# KiCad board MRIRobot_PCB.kicad_pcb (continued)
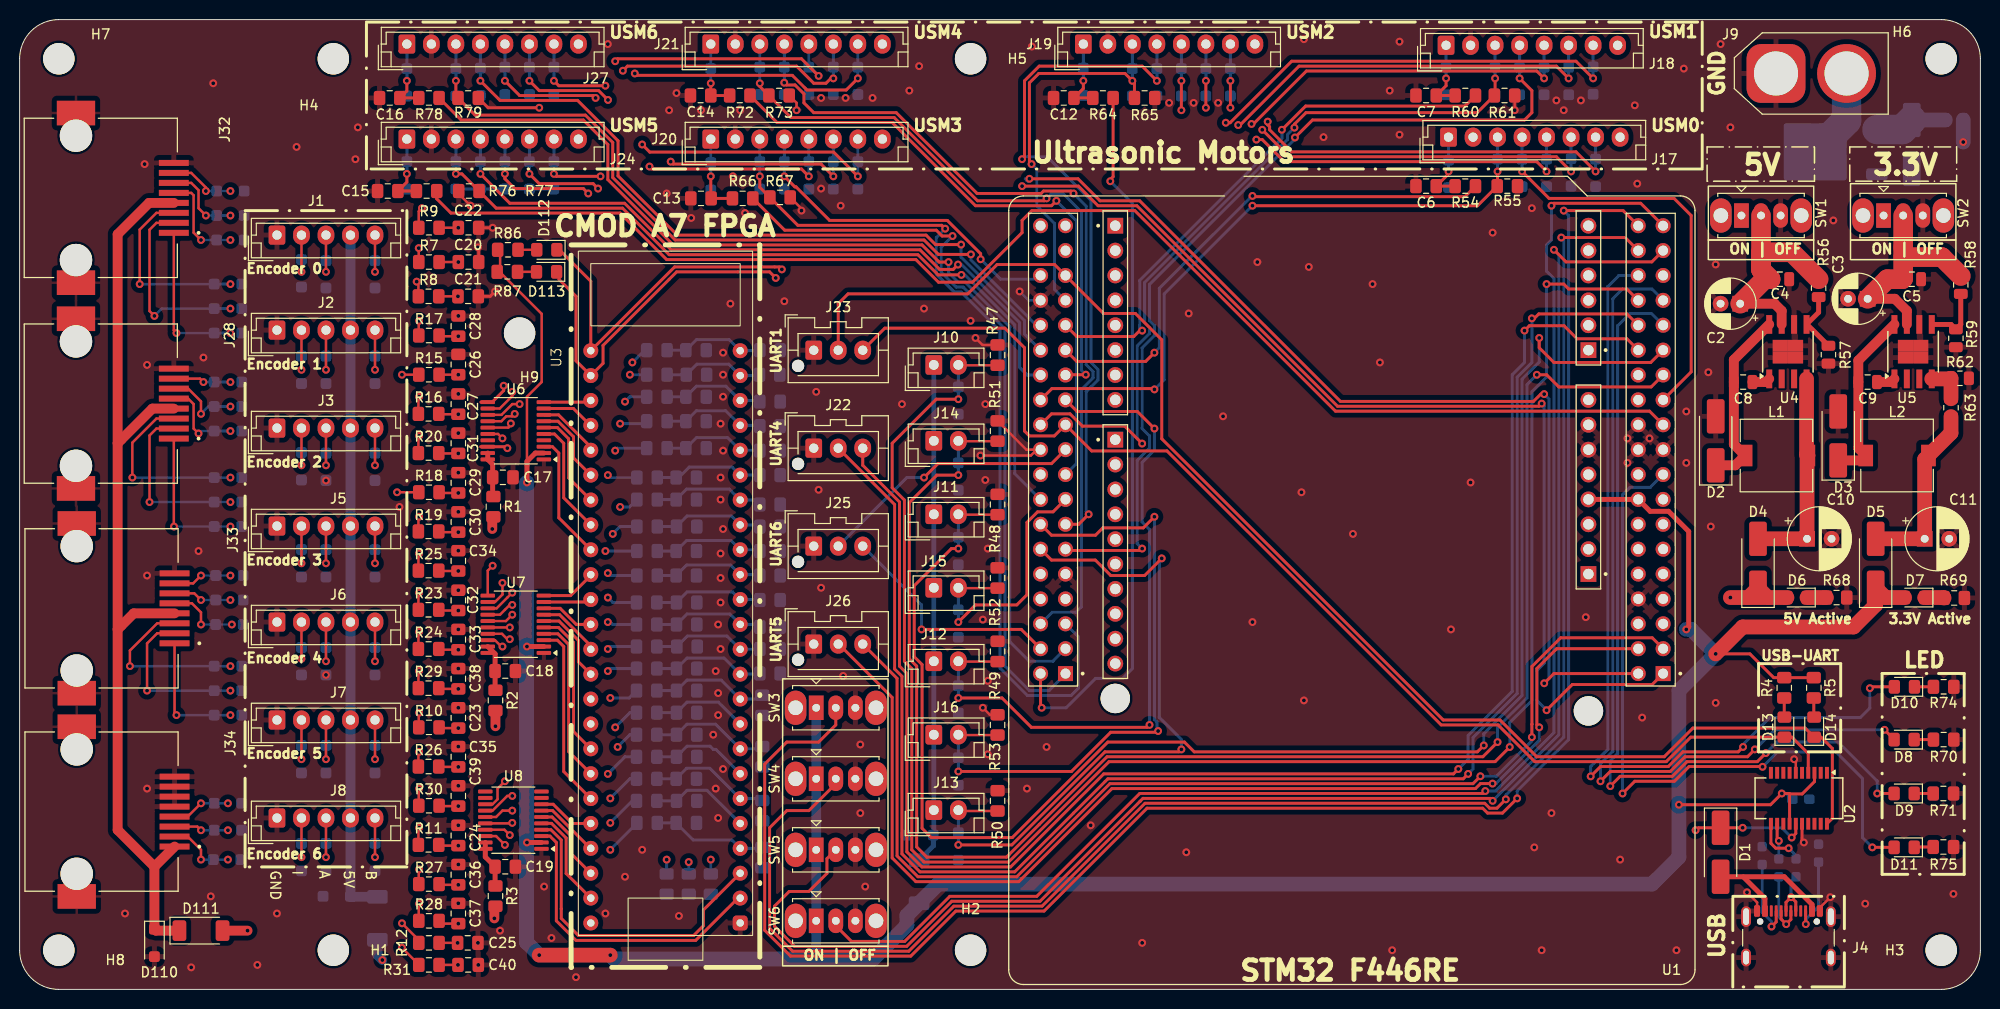
[diagram p0: board, top side]
## Placement (name value [footprint] x y rotation side) (continued)
R126  10k  [C_0805_2012Metric_Pad1.18x1.45mm_HandSolder]  76.54 55 0 bottom
R127  10k  [C_0805_2012Metric_Pad1.18x1.45mm_HandSolder]  76.54 52.5 0 bottom
R128  10k  [C_0805_2012Metric_Pad1.18x1.45mm_HandSolder]  76.54 65.25 0 bottom
R129  10k  [C_0805_2012Metric_Pad1.18x1.45mm_HandSolder]  76.5 62.75 0 bottom
R130  10k  [C_0805_2012Metric_Pad1.18x1.45mm_HandSolder]  76.54 60 0 bottom
SW1  5V Enable  [SW_Slide_SPDT_Straight_CK_OS102011MS2Q]  175.62 79 0 top
SW2  3.3V Enable  [SW_Slide_SPDT_Straight_CK_OS102011MS2Q]  190.12 79 0 top
SW3  Toggle_Switch0  [SW_Slide_SPDT_Straight_CK_OS102011MS2Q]  81.25 28.75 0 top
SW4  Toggle_Switch1  [SW_Slide_SPDT_Straight_CK_OS102011MS2Q]  81.25 21.5 0 top
SW5  Toggle_Switch2  [SW_Slide_SPDT_Straight_CK_OS102011MS2Q]  81.25 14.25 0 top
SW6  Toggle_Switch3  [SW_Slide_SPDT_Straight_CK_OS102011MS2Q]  81.25 7 0 top
U1  NUCLEO-F446RE  [MODULE_NUCLEO-F446RE]  135.89 41.75 180 top
U2  FT231XS  [SSOP-20_3.9x8.7mm_P0.635mm]  181.49 19.51 270 top
U3  CMOD_A7_FPGA  [CMODA7]  56.99 75.36 0 top
U4  LM22676MR-5  [TI_SO-PowerPAD-8]  180.37 65.1 90 top
U5  LM22676MR-ADJ  [TI_SO-PowerPAD-8]  193.13 65.1 90 top
U6  LSF0108  [TSSOP-20_4.4x6.5mm_P0.65mm]  50.61 57.03 180 top
U7  LSF0108  [TSSOP-20_4.4x6.5mm_P0.65mm]  50.61 37.28 180 top
U8  LSF0108  [TSSOP-20_4.4x6.5mm_P0.65mm]  50.36 17.28 180 top

## Library data of the parts
C1-C61 = -: Description: Unpolarized capacitor; ki_fp_filters: C_*
D1-D5 D12 D87 D111 = -: Description: Diode; Sim.Pins: 1=K 2=A; ki_fp_filters: TO-???* *_Diode_* *SingleDiode* D_*
D6-D11 D13 D14 D112 D113 = -: Description: Light emitting diode; ki_fp_filters: LED* LED_SMD:* LED_THT:*
D15-D86 D88-D108 D110 = -: Description: Bidirectional transient-voltage-suppression diode; ki_fp_filters: TO-???* *_Diode_* *SingleDiode* D_*
D109 = -: Description: Zener diode; ki_fp_filters: TO-???* *_Diode_* *SingleDiode* D_*
H1-H9 = -: Description: Mounting Hole without connection; ki_fp_filters: MountingHole*
J1-J3 J5-J8 = -: Description: Generic connector, single row, 01x05, script generated (kicad-library-utils/schlib/autogen/connector/); ki_fp_filters: Connector*:*_1x??_*
J4 = -: Datasheet: https://www.usb.org/sites/default/files/documents/usb_type-c.zip; Description: USB 2.0-only 16P Type-C Receptacle connector; ki_fp_filters: USB*C*Receptacle*
J9-J16 = -: Description: Generic connector, single row, 01x02, script generated (kicad-library-utils/schlib/autogen/connector/); ki_fp_filters: Connector*:*_1x??_*
J17-J21 J24 J27 = -: Description: Generic connector, single row, 01x08, script generated (kicad-library-utils/schlib/autogen/connector/); ki_fp_filters: Connector*:*_1x??_*
J22 J23 J25 J26 = -: Description: Generic connector, single row, 01x03, script generated (kicad-library-utils/schlib/autogen/connector/); ki_fp_filters: Connector*:*_1x??_*
J28 J32-J34 = -: PARTREV: A; STANDARD: Manufacturer Recommendations; MAXIMUM_PACKAGE_HEIGHT: 13.38mm; MANUFACTURER: Amphenol
L1 L2 = -: Description: Inductor; ki_fp_filters: Choke_* *Coil* Inductor_* L_*
Q1 = -: Datasheet: https://www.vishay.com/docs/62843/sud08p06-155l-ge3.pdf; Description: -8.4A Id, -60V Vds, TrenchFET P-Channel Power MOSFET, 155mOhm Ron, 19nC Qg, -55 to 150 °C, TO-252-2; ki_fp_filters: TO?252*
R1-R87 R110-R130 = -: Description: Resistor; ki_fp_filters: R_*
SW1-SW6 = -: Description: Switch, single pole double throw
U1 = -: Description: STM32F446RE, mbed-Enabled Development Nucleo-64 STM32F4 ARM® Cortex®-M4 MCU 32-Bit Embedded Evaluation Board; MF: STMicroelectronics; Package: None; Price: None; Check_prices: https://www.snapeda.com/parts/NUCLEO-F446RE/STMicroelectronics/view-part/?ref=eda; STANDARD: Manufacturer Recommendations; PARTREV: 13; SnapEDA_Link: https://www.snapeda.com/parts/NUCLEO-F446RE/STMicroelectronics/view-part/?ref=snap; Purchase-URL: https://www.snapeda.com/api/url_track_click_mouser/?unipart_id=284290&manufacturer=STMicroelectronics&part_name=NUCLEO-F446RE&search_term=None; Availability: In Stock; MANUFACTURER: STMicroelectronics; Description_1: STM32F446RE, mbed-Enabled Development Nucleo-64 STM32F4 ARM® Cortex®-M4 MCU 32-Bit Embedded Evaluation Board
U2 = -: Datasheet: https://www.ftdichip.com/Support/Documents/DataSheets/ICs/DS_FT231X.pdf; Description: Full Speed USB to Full Handshake UART, SSOP-20; ki_fp_filters: *SSOP*3.9x8.7mm*P0.635mm*
U4 = -: Datasheet: http://www.ti.com/lit/ds/symlink/lm22676.pdf; Description: 3A Step-Down Switching Voltage Regulater, 4.5-42V Input, 5V Output, 500kHz Switching Frequency, SOIC-8; ki_fp_filters: TI*SO*PowerPAD*
U5 = -: Datasheet: http://www.ti.com/lit/ds/symlink/lm22676.pdf; Description: 3A Step-Down Switching Voltage Regulater, 4.5-42V Input, Adjustable Output, 500kHz Switching Frequency, SOIC-8; ki_fp_filters: TI*SO*PowerPAD*

## Footprints (pads in the part's own frame, mm; a bottom-side part is the same pattern mirrored in y, then rotated)
AMASS_XT60-M_1x02_P7.20mm_Vertical
  rrect 6x6 hole 4.5: 1(0,0)
  round 6 hole 4.5: 2(7.2,0)
AMPHENOL_RJCSE538001
  round 3.3 hole 3.3 unplated: (-6.35,0) (6.35,0)
  rect 0.61x3.05 smd: 1(3.57,9.98) 2(2.55,9.98) 3(1.53,9.98) 4(0.51,9.98) 5(-0.51,9.98) 6(-1.53,9.98) 7(-2.55,9.98) 8(-3.57,9.98)
  custom 2.51x3.91 smd: SH1(8.66,0) SH2(-8.66,0)
C_0603_1608Metric_Pad1.08x0.95mm_HandSolder
  rrect 1.075x0.95 smd: 1(-0.863,0) 2(0.863,0)
C_0805_2012Metric
  rrect 1x1.45 smd: 1(-0.95,0) 2(0.95,0)
C_0805_2012Metric_Pad1.18x1.45mm_HandSolder
  rrect 1.175x1.45 smd: 1(-1.038,0) 2(1.038,0)
CMODA7
  round 1.524 hole 0.762: 1(1.27,-10.16) 2(1.27,-12.7) 3(1.27,-15.24) 4(1.27,-17.78) 5(1.27,-20.32) 6(1.27,-22.86) 7(1.27,-25.4) 8(1.27,-27.94) 9(1.27,-30.48) 10(1.27,-33.02) 11(1.27,-35.56) 12(1.27,-38.1) 13(1.27,-40.64) 14(1.27,-43.18) 15(1.27,-45.72) 16(1.27,-48.26) 17(1.27,-50.8) 18(1.27,-53.34) 19(1.27,-55.88) 20(1.27,-58.42) 21(1.27,-60.96) 22(1.27,-63.5) 23(1.27,-66.04) 24(1.27,-68.58) 26(16.51,-66.04) 27(16.51,-63.5) 28(16.51,-60.96) 29(16.51,-58.42) 30(16.51,-55.88) 31(16.51,-53.34) 32(16.51,-50.8) 33(16.51,-48.26) 34(16.51,-45.72) 35(16.51,-43.18) 36(16.51,-40.64) 37(16.51,-38.1) 38(16.51,-35.56) 39(16.51,-33.02) 40(16.51,-30.48) 41(16.51,-27.94) 42(16.51,-25.4) 43(16.51,-22.86) 44(16.51,-20.32) 45(16.51,-17.78) 46(16.51,-15.24) 47(16.51,-12.7) 48(16.51,-10.16)
  rrect 1.524x1.524 hole 0.762: 25(16.51,-68.58)
CP_Radial_D5.0mm_P2.00mm
  rect 1.6x1.6 hole 0.8: 1(0,0)
  round 1.6 hole 0.8: 2(2,0)
CP_Radial_D6.3mm_P2.50mm
  rect 1.6x1.6 hole 0.8: 1(0,0)
  round 1.6 hole 0.8: 2(2.5,0)
D_SMA_Handsoldering
  rrect 3.5x1.8 smd: 1(-2.5,0) 2(2.5,0)
D_SOD-123F
  rrect 1.1x1.1 smd: 1(-1.4,0) 2(1.4,0)
D_SOD-128
  rrect 1.4x2.1 smd: 1(-2.2,0) 2(2.2,0)
JST_EH_B2B-EH-A_1x02_P2.50mm_Vertical
  rrect 1.7x2 hole 1: 1(0,0)
  oval 1.7x2 hole 1: 2(2.5,0)
JST_EH_B5B-EH-A_1x05_P2.50mm_Vertical
  rrect 1.7x1.95 hole 0.95: 1(0,0)
  oval 1.7x1.95 hole 0.95: 2(2.5,0) 3(5,0) 4(7.5,0) 5(10,0)
JST_EH_B8B-EH-A_1x08_P2.50mm_Vertical
  rrect 1.7x1.95 hole 0.95: 1(0,0)
  oval 1.7x1.95 hole 0.95: 2(2.5,0) 3(5,0) 4(7.5,0) 5(10,0) 6(12.5,0) 7(15,0) 8(17.5,0)
JST_XA_B03B-XASK-1-A_1x03_P2.50mm_Vertical
  round 1.25 hole 1.25 unplated: (-1.6,-1.6)
  rrect 1.7x1.95 hole 0.95: 1(0,0)
  oval 1.7x1.95 hole 0.95: 2(2.5,0) 3(5,0)
L_7.3x7.3_H3.5
  rect 1.5x2.2 smd: 1(-3.2,0) 2(3.2,0)
LED_0805_2012Metric_Pad1.15x1.40mm_HandSolder
  rrect 1.15x1.4 smd: 1(-1.025,0) 2(1.025,0)
MODULE_NUCLEO-F446RE
  round 3 hole 3 unplated: (-24.13,13.32) (24.13,12.05)
  rect 1.605x1.605 hole 1.07: CN5_1(24.13,-14.37) CN6_1(-24.13,-0.65) CN8_1(-24.13,-23.51) CN9_1(24.13,-36.21)
  round 1.605 hole 1.07: CN5_2(24.13,-11.83) CN5_3(24.13,-9.29) CN5_4(24.13,-6.75) CN5_5(24.13,-4.21) CN5_6(24.13,-1.67) CN5_7(24.13,0.87) CN5_8(24.13,3.41) CN5_9(24.13,5.95) CN5_10(24.13,8.49) CN6_2(-24.13,-3.19) CN6_3(-24.13,-5.73) CN6_4(-24.13,-8.27) CN6_5(-24.13,-10.81) CN6_6(-24.13,-13.35) CN6_7(-24.13,-15.89) CN6_8(-24.13,-18.43) CN8_2(-24.13,-26.05) CN8_3(-24.13,-28.59) CN8_4(-24.13,-31.13) CN8_5(-24.13,-33.67) CN8_6(-24.13,-36.21) CN9_2(24.13,-33.67) CN9_3(24.13,-31.13) CN9_4(24.13,-28.59) CN9_5(24.13,-26.05) CN9_6(24.13,-23.51) CN9_7(24.13,-20.97) CN9_8(24.13,-18.43)
  rect 1.53x1.53 hole 1.02: CN7_1(-31.75,9.51) CN10_1(29.21,9.51)
  round 1.53 hole 1.02: CN7_2(-29.21,9.51) CN7_3(-31.75,6.97) CN7_4(-29.21,6.97) CN7_5(-31.75,4.43) CN7_6(-29.21,4.43) CN7_7(-31.75,1.89) CN7_8(-29.21,1.89) CN7_9(-31.75,-0.65) CN7_10(-29.21,-0.65) CN7_11(-31.75,-3.19) CN7_12(-29.21,-3.19) CN7_13(-31.75,-5.73) CN7_14(-29.21,-5.73) CN7_15(-31.75,-8.27) CN7_16(-29.21,-8.27) CN7_17(-31.75,-10.81) CN7_18(-29.21,-10.81) CN7_19(-31.75,-13.35) CN7_20(-29.21,-13.35) CN7_21(-31.75,-15.89) CN7_22(-29.21,-15.89) CN7_23(-31.75,-18.43) CN7_24(-29.21,-18.43) CN7_25(-31.75,-20.97) CN7_26(-29.21,-20.97) CN7_27(-31.75,-23.51) CN7_28(-29.21,-23.51) CN7_29(-31.75,-26.05) CN7_30(-29.21,-26.05) CN7_31(-31.75,-28.59) CN7_32(-29.21,-28.59) CN7_33(-31.75,-31.13) CN7_34(-29.21,-31.13) CN7_35(-31.75,-33.67) CN7_36(-29.21,-33.67) CN7_37(-31.75,-36.21) CN7_38(-29.21,-36.21) CN10_2(31.75,9.51) CN10_3(29.21,6.97) CN10_4(31.75,6.97) CN10_5(29.21,4.43) CN10_6(31.75,4.43) CN10_7(29.21,1.89) CN10_8(31.75,1.89) CN10_9(29.21,-0.65) CN10_10(31.75,-0.65) CN10_11(29.21,-3.19) CN10_12(31.75,-3.19) CN10_13(29.21,-5.73) CN10_14(31.75,-5.73) CN10_15(29.21,-8.27) CN10_16(31.75,-8.27) CN10_17(29.21,-10.81) CN10_18(31.75,-10.81) CN10_19(29.21,-13.35) CN10_20(31.75,-13.35) CN10_21(29.21,-15.89) CN10_22(31.75,-15.89) CN10_23(29.21,-18.43) CN10_24(31.75,-18.43) CN10_25(29.21,-20.97) CN10_26(31.75,-20.97) CN10_27(29.21,-23.51) CN10_28(31.75,-23.51) CN10_29(29.21,-26.05) CN10_30(31.75,-26.05) CN10_31(29.21,-28.59) CN10_32(31.75,-28.59) CN10_33(29.21,-31.13) CN10_34(31.75,-31.13) CN10_35(29.21,-33.67) CN10_36(31.75,-33.67) CN10_37(29.21,-36.21) CN10_38(31.75,-36.21)
MountingHole_3.2mm_M3
  round 3.2 hole 3.2 unplated: (0,0)
R_0603_1608Metric_Pad0.98x0.95mm_HandSolder
  rrect 0.975x0.95 smd: 1(-0.912,0) 2(0.912,0)
R_0805_2012Metric
  rrect 1.025x1.4 smd: 1(-0.912,0) 2(0.912,0)
SSOP-20_3.9x8.7mm_P0.635mm
  rect 1.2x0.4 smd: 1(-2.6,2.857) 2(-2.6,2.223) 3(-2.6,1.587) 4(-2.6,0.953) 5(-2.6,0.318) 6(-2.6,-0.318) 7(-2.6,-0.953) 8(-2.6,-1.587) 9(-2.6,-2.223) 10(-2.6,-2.857) 11(2.6,-2.857) 12(2.6,-2.223) 13(2.6,-1.587) 14(2.6,-0.953) 15(2.6,-0.318) 16(2.6,0.318) 17(2.6,0.953) 18(2.6,1.587) 19(2.6,2.223) 20(2.6,2.857)
SW_Slide_SPDT_Straight_CK_OS102011MS2Q
  oval 2.2x3.5 hole 1.5: (-2.1,0) (6.1,0)
  rect 1.5x2.5 hole 0.8: 1(0,0)
  oval 1.5x2.5 hole 0.8: 2(2,0) 3(4,0)
TI_SO-PowerPAD-8
  rect 1.91x0.61 smd: 1(-2.78,1.905) 2(-2.78,0.635) 3(-2.78,-0.635) 4(-2.78,-1.905) 5(2.78,-1.905) 6(2.78,-0.635) 7(2.78,0.635) 8(2.78,1.905)
  rect 1.205x1.55 smd: 9(-0.603,0.775) 9(-0.603,-0.775) 9(0.603,0.775) 9(0.603,-0.775)
TO-252-2
  rrect 2.2x1.2 smd: 1(-5.04,2.28) 3(-5.04,-2.28)
  rrect 3.05x2.75 smd: 2(-0.415,-1.525) 2(-0.415,1.525) 2(2.935,-1.525) 2(2.935,1.525)
  rrect 6.4x5.8 smd: 2(1.26,0)
TSSOP-20_4.4x6.5mm_P0.65mm
  rrect 1.475x0.4 smd: 1(-2.862,2.925) 2(-2.862,2.275) 3(-2.862,1.625) 4(-2.862,0.975) 5(-2.862,0.325) 6(-2.862,-0.325) 7(-2.862,-0.975) 8(-2.862,-1.625) 9(-2.862,-2.275) 10(-2.862,-2.925) 11(2.862,-2.925) 12(2.862,-2.275) 13(2.862,-1.625) 14(2.862,-0.975) 15(2.862,-0.325) 16(2.862,0.325) 17(2.862,0.975) 18(2.862,1.625) 19(2.862,2.275) 20(2.862,2.925)
USB_C_Receptacle_GCT_USB4105-xx-A_16P_TopMnt_Horizontal
  round 0.65 hole 0.65 unplated: (-2.89,2.605) (2.89,2.605)
  rrect 0.6x1.15 smd: A1(-3.2,3.68) A4(-2.4,3.68) A9(2.4,3.68) A12(3.2,3.68) B1(3.2,3.68) B4(2.4,3.68) B9(-2.4,3.68) B12(-3.2,3.68)
  rrect 0.3x1.15 smd: A5(-1.25,3.68) A6(-0.25,3.68) A7(0.25,3.68) A8(1.25,3.68) B5(1.75,3.68) B6(0.75,3.68) B7(-0.75,3.68) B8(-1.75,3.68)
  oval 1x2.1 hole 0.6x1.7: S1(-4.32,3.105) S1(4.32,3.105)
  oval 1x1.8 hole 0.6x1.4: S1(-4.32,-1.075) S1(4.32,-1.075)

## Nets
+3.3V: C1.1 D5.1 D7.2 D12.2 R4.1 R5.1 R86.1 R87.1 SW3.1 SW4.1 SW5.1 SW6.1 U1.CN6_4 U1.CN7_16 U2.3 U2.14 U6.2 U7.2 U8.2
+5V: D1.1 D4.1 D6.2 D87.2 D111.2 R1.1 R2.1 R3.1 U1.CN6_5 U1.CN7_18 U2.15 U3.24
+24V: D109.1 Q1.3 SW1.1 SW2.1
/3V3_home: D12.1 D84.1 J10.1 J11.1 J12.1 J13.1 J14.1 J15.1 J16.1
/5V_E: D86.1 D87.1 J1.4 J2.4 J3.4 J5.4 J6.4 J7.4 J8.4
/5V_E2: D110.1 D111.1 J28.4 J32.4 J33.4 J34.1
/24V_3.3V: C3.1 C5.1 R58.1 SW2.2 U5.7
/24V_5V: C2.1 C4.1 R56.1 SW1.2 U4.7
GND: C1.2 C2.2 C3.2 C4.2 C5.2 C6.2 C7.2 C10.2 C11.2 C12.2 C13.2 C14.2 C15.2 C16.2 C17.2 C18.2 C19.2 C20.2 C21.2 C22.2 C23.2 C24.2 C25.2 C26.2 C27.2 C28.2 C29.2 C30.2 C31.2 C32.2 C33.2 C34.2 C35.2 C36.2 C37.2 C38.2 C39.2 C40.2 C41.2 C42.2 C43.2 C44.2 C45.2 C46.2 C47.2 C48.2 C49.2 C50.2 C51.2 C52.2 C53.2 C54.2 C55.2 C56.2 C57.2 C58.2 C59.2 C60.2 C61.2 D2.2 D3.2 D15.2 D16.2 D17.2 D18.2 D19.2 D20.2 D21.2 D22.2 D23.2 D24.2 D25.2 D26.2 D27.2 D28.2 D29.2 D30.2 D31.2 D32.2 D33.2 D34.2 D35.2 D36.2 D37.2 D38.2 D39.2 D40.2 D41.2 D42.2 D43.2 D44.2 D45.2 D46.2 D47.2 D48.2 D49.2 D50.2 D51.2 D52.2 D53.2 D54.2 D55.2 D56.2 D57.2 D58.2 D59.2 D60.2 D61.2 D62.2 D63.2 D64.2 D65.2 D66.2 D67.2 D68.2 D69.2 D70.2 D71.2 D72.2 D73.2 D74.2 D75.2 D76.2 D77.2 D78.2 D79.2 D80.2 D81.2 D82.2 D83.2 D84.2 D85.2 D86.2 D88.2 D89.2 D90.2 D91.2 D92.2 D93.2 D94.2 D95.2 D96.2 D97.2 D98.2 D99.2 D100.2 D101.2 D102.2 D103.2 D104.2 D105.2 D106.2 D107.2 D108.2 D110.2 J1.1 J2.1 J3.1 J4.A1 J4.A12 J4.B1 J4.B12 J4.S1 J5.1 J6.1 J7.1 J8.1 J9.1 J17.2 J18.2 J19.2 J20.2 J21.2 J22.1 J23.1 J24.2 J25.1 J26.1 J27.2 J28.8 J28.SH1 J28.SH2 J32.8 J32.SH1 J32.SH2 J33.8 J33.SH1 J33.SH2 J34.5 J34.6 J34.7 J34.8 J34.SH1 J34.SH2 R6.2 R13.2 R14.2 R47.2 R48.2 R49.2 R50.2 R51.2 R52.2 R53.2 R55.2 R57.2 R59.2 R61.2 R62.2 R65.2 R67.2 R68.2 R69.2 R70.2 R71.2 R73.2 R74.2 R75.2 R77.2 R79.2 R110.2 R111.2 R112.2 R113.2 R114.2 R115.2 R116.2 R117.2 R118.2 R119.2 R120.2 R121.2 R122.2 R123.2 R124.2 R125.2 R126.2 R127.2 R128.2 R129.2 R130.2 SW1.3 SW2.3 SW3.3 SW4.3 SW5.3 SW6.3 U1.CN6_6 U1.CN6_7 U1.CN7_8 U1.CN7_19 U1.CN7_20 U1.CN7_22 U1.CN10_9 U1.CN10_20 U1.CN10_32 U2.6 U2.16 U3.25 U4.6 U4.9 U5.6 U5.9 U6.1 U7.1 U8.1
/A0: D23.1 D90.1 J1.3 J32.7 R8.1
/A0_LP: C21.1 R8.2 U6.13
/A0_shift: U3.5 U6.8
/A1: D26.1 D91.1 J2.3 J32.2 R16.1
/A1_LP: C27.1 R16.2 U6.16
/A1_shift: U3.8 U6.5
/A2: D29.1 D96.1 J3.3 J28.7 R19.1
/A2_LP: C30.1 R19.2 U7.12
/A2_shift: U3.11 U7.9
/A3: D20.1 D97.1 J5.3 J28.2 R24.1
/A3_LP: C33.1 R24.2 U7.15
/A3_shift: U3.14 U7.6
/A4: D32.1 D102.1 J6.3 J33.7 R26.1
/A4_LP: C35.1 R26.2 U7.18
/A4_shift: U3.19 U7.3
/A5: D35.1 D103.1 J7.3 J33.2 R27.1
/A5_LP: C36.1 R27.2 U8.15
/A5_shift: U3.22 U8.6
/A6: D37.1 D107.1 J8.3 J34.3 R28.1
/A6_LP: C37.1 R28.2 U8.17
/A6_shift: U3.27 U8.4
/B0: D17.1 D88.1 J1.5 J32.6 R7.1
/B0_LP: C20.1 R7.2 U6.12
/B0_shift: U3.4 U6.9
/B1: D25.1 D89.1 J2.5 J32.1 R15.1
/B1_LP: C26.1 R15.2 U6.15
/B1_shift: U3.7 U6.6
/B2: D28.1 D94.1 J3.5 J28.6 R18.1
/B2_LP: C29.1 R18.2 U7.11
/B2_shift: U3.10 U7.10
/B3: D19.1 D95.1 J5.5 J28.1 R23.1
/B3_LP: C32.1 R23.2 U7.14
/B3_shift: U3.13 U7.7
/B4: D31.1 D100.1 J6.5 J33.6 R10.1
/B4_LP: C23.1 R10.2 U7.17
/B4_shift: U3.18 U7.4
/B5: D34.1 D101.1 J7.5 J33.1 R11.1
/B5_LP: C24.1 R11.2 U8.14
/B5_shift: U3.21 U8.7
/B6: D22.1 D106.1 J8.5 J34.4 R12.1
/B6_LP: C25.1 R12.2 U8.18
/B6_shift: U3.26 U8.3
/Home0: D78.1 J10.2 R47.1 U1.CN7_32
/Home1: D80.1 J14.2 R51.1 U1.CN7_25
/Home2: D82.1 J11.2 R48.1 U1.CN7_27
/Home3: D79.1 J15.2 R52.1 U1.CN10_15
/Home4: D81.1 J12.2 R49.1 U1.CN10_23
/Home5: D83.1 J16.2 R53.1 U1.CN10_14
/Home6: D85.1 J13.2 R50.1 U1.CN10_12
/I0: D24.1 D92.1 J1.2 J32.5 R9.1
/I0_LP: C22.1 R9.2 U6.11
/I0_shift: U3.3 U6.10
/I1: D27.1 D93.1 J2.2 J32.3 R17.1
/I1_LP: C28.1 R17.2 U6.14
/I1_shift: U3.6 U6.7
/I2: D30.1 D98.1 J3.2 J28.5 R20.1
/I2_LP: C31.1 R20.2 U6.18
/I2_shift: U3.9 U6.3
/I3: D21.1 D99.1 J5.2 J28.3 R25.1
/I3_LP: C34.1 R25.2 U7.13
/I3_shift: U3.12 U7.8
/I4: D33.1 D104.1 J6.2 J33.5 R29.1
/I4_LP: C38.1 R29.2 U7.16
/I4_shift: U3.17 U7.5
/I5: D36.1 D105.1 J7.2 J33.3 R30.1
/I5_LP: C39.1 R30.2 U8.13
/I5_shift: U3.20 U8.8
/I6: D38.1 D108.1 J8.2 J34.2 R31.1
/I6_LP: C40.1 R31.2 U8.16
/I6_shift: U3.23 U8.5
/LED0: D8.2 U1.CN7_31
/LED1: D9.2 U1.CN7_29
/LED2: D10.2 U1.CN7_34
/LED3: D11.2 U1.CN7_17
/SW0: SW3.2 U1.CN7_38
/SW1: SW4.2 U1.CN7_36
/SW2: SW5.2 U1.CN7_35
/SW3: SW6.2 U1.CN7_37
/U_Ana0: C6.1 D15.1 J17.1 R54.2
/U_Ana1: C7.1 D42.1 J18.1 R60.2
/U_Ana2: C12.1 D48.1 J19.1 R64.2
/U_Ana3: C13.1 D54.1 J20.1 R66.2
/U_Ana4: C14.1 D60.1 J21.1 R72.2
/U_Ana5: C15.1 D66.1 J24.1 R76.2
/U_Ana6: C16.1 D72.1 J27.1 R78.2
/U_Dir0: D18.1 J17.4 U1.CN7_23
/U_Dir1: D46.1 J18.4 U1.CN10_11
/U_Dir2: D52.1 J19.4 U1.CN10_13
/U_Dir3: D58.1 J20.4 U1.CN10_34
/U_Dir4: D64.1 J21.4 U1.CN10_6
/U_Dir5: D70.1 J24.4 U1.CN10_26
/U_Dir6: D76.1 J27.4 U1.CN10_28
/U_En0: D16.1 J17.3 R55.1 U1.CN10_24
/U_En1: D44.1 J18.3 R61.1 U1.CN10_22
/U_En2: D50.1 J19.3 R65.1 U1.CN10_31
/U_En3: D56.1 J20.3 R67.1 U1.CN10_5
/U_En4: D62.1 J21.3 R73.1 U1.CN10_25
/U_En5: D68.1 J24.3 R77.1 U1.CN10_16
/U_En6: D74.1 J27.3 R79.1 U1.CN10_30
/U_EncA0: D39.1 J17.5 R33.1
/U_EncA0_LP: C42.1 R33.2 R112.1 U3.30
/U_EncA1: D43.1 J18.5 R36.1
/U_EncA1_LP: C45.1 R36.2 R115.1 U3.33
/U_EncA2: D49.1 J19.5 R39.1
/U_EncA2_LP: C48.1 R39.2 R118.1 U3.36
/U_EncA3: D55.1 J20.5 R42.1
/U_EncA3_LP: C51.1 R42.2 R121.1 U3.38
/U_EncA4: D61.1 J21.5 R45.1
/U_EncA4_LP: C54.1 R45.2 R124.1 U3.40
/U_EncA5: D67.1 J24.5 R81.1
/U_EncA5_LP: C57.1 R81.2 R127.1 U3.43
/U_EncA6: D73.1 J27.5 R84.1
/U_EncA6_LP: C60.1 R84.2 R130.1 U3.46
/U_EncB0: D40.1 J17.6 R32.1
/U_EncB0_LP: C41.1 R32.2 R111.1 U3.29
/U_EncB1: D45.1 J18.6 R35.1
/U_EncB1_LP: C44.1 R35.2 R114.1 U3.32
/U_EncB2: D51.1 J19.6 R38.1
/U_EncB2_LP: C47.1 R38.2 R117.1 U3.35
/U_EncB3: D57.1 J20.6 R41.1
/U_EncB3_LP: C50.1 R41.2 R120.1 U3.37
/U_EncB4: D63.1 J21.6 R44.1
/U_EncB4_LP: C53.1 R44.2 R123.1 U3.41
/U_EncB5: D69.1 J24.6 R80.1
/U_EncB5_LP: C56.1 R80.2 R126.1 U3.44
/U_EncB6: D75.1 J27.6 R83.1
/U_EncB6_LP: C59.1 R83.2 R129.1 U3.47
/U_EncI0: D41.1 J17.7 R34.1
/U_EncI0_LP: C43.1 R34.2 R110.1 U3.28
/U_EncI1: D47.1 J18.7 R37.1
/U_EncI1_LP: C46.1 R37.2 R113.1 U3.31
/U_EncI2: D53.1 J19.7 R40.1
/U_EncI2_LP: C49.1 R40.2 R116.1 U3.34
/U_EncI3: D59.1 J20.7 R43.1
/U_EncI3_LP: C52.1 R43.2 R119.1 U3.39
/U_EncI4: D65.1 J21.7 R46.1
/U_EncI4_LP: C55.1 R46.2 R122.1 U3.42
/U_EncI5: D71.1 J24.7 R82.1
/U_EncI5_LP: C58.1 R82.2 R125.1 U3.45
/U_EncI6: D77.1 J27.7 R85.1
/U_EncI6_LP: C61.1 R85.2 R128.1 U3.48
/U_PWM0: R54.1 U1.CN10_27
/U_PWM1: R60.1 U1.CN10_29
/U_PWM2: R64.1 U1.CN10_2
/U_PWM3: R66.1 U1.CN10_1
/U_PWM4: R72.1 U1.CN10_17
/U_PWM5: R76.1 U1.CN7_21
/U_PWM6: R78.1 U1.CN10_3
/UART1RX: D14.1 J23.2 U1.CN10_33 U2.20
/UART1TX: D13.1 J23.3 U1.CN10_21 U2.4
/UART3RX: D112.1 U1.CN7_2 U3.1
/UART3TX: D113.1 U1.CN7_1 U3.2
/UART4RX: J22.2 U1.CN7_30
/UART4TX: J22.3 U1.CN7_28
/UART5RX: J26.2 U1.CN7_4
/UART5TX: J26.3 U1.CN7_3
/UART6RX: J25.2 U1.CN10_19
/UART6TX: J25.3 U1.CN10_4
/USB_N: J4.A7 J4.B7 R21.1
/USB_P: J4.A6 J4.B6 R22.1
Net-(D1-A): D1.2 J4.A4 J4.A9 J4.B4 J4.B9
Net-(D2-K): C8.2 D2.1 L1.1 U4.8
Net-(D3-K): C9.2 D3.1 L2.1 U5.8
Net-(D4-A): C10.1 D4.2 L1.2 U4.4
Net-(D5-A): C11.1 D5.2 L2.2 R63.1
Net-(D6-K): D6.1 R68.1
Net-(D7-K): D7.1 R69.1
Net-(D8-K): D8.1 R70.1
Net-(D9-K): D9.1 R71.1
Net-(D10-K): D10.1 R74.1
Net-(D11-K): D11.1 R75.1
Net-(D13-A): D13.2 R4.2
Net-(D14-A): D14.2 R5.2
Net-(D109-A): D109.2 Q1.1 R6.1
Net-(D112-A): D112.2 R86.2
Net-(D113-A): D113.2 R87.2
Net-(J4-CC1): J4.A5 R14.1
Net-(J4-CC2): J4.B5 R13.1
Net-(J9-Pin_2): J9.2 Q1.2
Net-(U2-USBDM): R21.2 U2.12
Net-(U2-USBDP): R22.2 U2.11
Net-(U4-BOOT): C8.1 U4.1
Net-(U4-EN): R56.2 R57.1 U4.5
Net-(U5-BOOT): C9.1 U5.1
Net-(U5-EN): R58.2 R59.1 U5.5
Net-(U5-FB): R62.1 R63.2 U5.4
Net-(U6-B_REF): C17.1 R1.2 U6.19 U6.20
Net-(U7-B_REF): C18.1 R2.2 U7.19 U7.20
Net-(U8-B_REF): C19.1 R3.2 U8.19 U8.20

Pads without a net: J4 A8 B8; J17 8; J18 8; J19 8; J20 8; J21 8; J24 8; J27 8; U1 CN5_1 CN5_2 CN5_3 CN5_4 CN5_5 CN5_6 CN5_7 CN5_8 CN5_9 CN5_10 CN6_1 CN6_2 CN6_3 CN6_8 CN7_5 CN7_6 CN7_7 CN7_9 CN7_10 CN7_11 CN7_12 CN7_13 CN7_14 CN7_15 CN7_24 CN7_26 CN7_33 CN8_1 CN8_2 CN8_3 CN8_4 CN8_5 CN8_6 CN9_1 CN9_2 CN9_3 CN9_4 CN9_5 CN9_6 CN9_7 CN9_8 CN10_7 CN10_8 CN10_10 CN10_18 CN10_35 CN10_36 CN10_37 CN10_38; U2 1 2 5 7 8 9 10 13 17 18 19; U3 15 16; U4 2 3; U5 2 3; U6 4 17; U8 9 10 11 12

## Via types
v1: diameter 0.8, hole 0.4, Top to Bottom, 491 vias

## Routing (per net, layer and track width the routed paths; a pad name or vN(x,y) marks a point on that pad's centre or on a via; arc(x,y) is an arc through that point)
+3.3V: length 330.3
  Top w0.25: 51.75,53.5 51.75,60.5 53.25,62 53.25,68.96 48.96,73.25 49.01,73.3 49.01,75.5
  Top w0.3: R5.1 R4.1 178.92,31.82 176.49,34.25 v1(173,34.25) ; U2.3 183.08,21.21 181.82,19.96 180.54,19.96 ; U2.14 180.54,19.96 ; 180.54,19.96 180.49,20 v1(179.74,20) 178.59,18.85 v1(169.25,18.85)
  Top w0.5: v1(51.75,51.75) 51.75,53.89 52.61,54.75 U6.2 ; U8.2 v1(51.75,15) ; v1(170,36.75) 170.25,37 170.25,46.75 168.19,48.81 166.31,48.81 U1.CN7_16 U1.CN6_4 ; U7.2 v1(51.75,35)
  Top w1.5: v1(53,3.5) v1(60.25,3.5) ; D7.2 190.32,40 D5.1 189.32,39.25 187.07,37 175.75,37 v1(173,34.25)
  Bottom w0.3: v1(179.74,20) 180.24,20 C1.1
  Bottom w1: SW3.1 81.25,3.1
  Bottom w1.5: v1(170,36.75) 170.5,36.75 v1(173,34.25) 169.25,30.5 v1(169.25,18.85) 169.25,13.5 166.5,10.75 93.7,10.75 90.5,7.55 90.5,6.55 87.05,3.1 60.65,3.1 v1(60.25,3.5) ; v1(53,3.5) 51.7,4.8 51.7,51.7 v1(51.75,51.75)
+5V: length 27.4
  Top w0.3: 171,16.25 171.25,16.5 D1.1 v1(175.75,16.5) ; U2.15 181.17,15.92 v1(180.75,15.5)
  Top w1: v1(48.54,26.86) R2.1 ; R1.1 48.21,48.12 v1(48.21,47) ; D111.2 v1(23.25,6) ; R3.1 48.42,8.38 v1(48.42,7.25)
  Top w1.5: D6.2 178.32,40 D4.1 176.32,40 v1(174.5,40)
  Bottom w0.3: v1(180.75,15.5) 179.75,16.5 v1(175.75,16.5)
  Bottom w1: v1(37,3) 36.5,3.5 D87.2
  vias: v1(170.95,16.25)
/3V3_home: length 51.2
  Bottom w0.5: J10.1 J13.1 93.25,15.8 D84.1 93.2,14.65 D12.1
/5V_E: length 70.3
  Bottom w1: D87.1 33.8,9.45 D86.1 J1.4
/5V_E2: length 98.7
  Top w1: 10,55.75 10,77.08 13.2,80.29 J32.4 ; 10,55.75 10,36.75 ; 10,55.75 13.54,59.29 J28.4 ; 13.75,12.53 D110.1 13.9,6 D111.1 ; 13.75,12.53 10,16.28 10,36.75 ; 13.75,12.53 J34.1 ; 10,36.75 11.64,38.39 J33.4
/24V_3.3V: length 23.5
  Top w1: U5.7 192.5,69.27 191.27,70.5 C3.1
  Top w2: SW2.2 192.12,72.58 C5.1 190.5,72.5 C3.1 ; R58.1 196.07,74.75 192.12,74.75
/24V_5V: length 25.7
  Top w1: C2.1 179,70 179.73,69.27 U4.7
  Top w2: SW1.2 177.62,73.47 ; 177.62,73.47 C4.1 178,72.5 C2.1 ; 177.62,73.47 177.62,75.25 180.75,75.25 R56.1
GND: length 57.4
  Top w0.25: J4.A12 183.62,8.34 v1(184.69,9.41) ; R77.2 44.79,81.21 v1(46,80) ; R53.2 98.96,28.04 v1(98.25,28.75) ; v1(98,54.5) 103.15,54.5 103.75,55.1 U1.CN10_20 102.69,55.1 R51.2 ; J4.A1 177.22,8.88 v1(176.19,9.91) ; R47.2 98.21,65.79 v1(97.5,66.5) ; U2.6 181.17,23.33 v1(181,23.5) ; R73.2 79.25,90.5 v1(79.25,89.75) ; R67.2 79.75,79.7 v1(79.75,79.5) ; R61.2 v1(152.5,89.75)
  Top w0.3: U2.16 181.81,15.19 v1(181.99,15) ; R79.2 47.79,90 v1(53,90) ; v1(46.75,75.75) 46.83,75.67 C20.2 ; C21.2 48,70.75 v1(48.5,71.25) ; C22.2 v1(48.25,77.75)
  Bottom w0.25: U1.CN10_32 102.91,70.34 v1(102,71.25)
  Bottom w0.3: D68.2 D71.2
  Bottom w1.5: v1(198.25,86.5) R6.2
  vias: v1(10.75,7.75) v1(12.75,84.25) v1(13,63.75) v1(13,42.25) v1(13,20.5) v1(17.5,2.25) v1(18.25,44.75) v1(18.75,64.5) v1(19.5,9.5) v1(19.75,92.5) v1(24.25,2.5) v1(26.25,7.75) v1(28.25,86) v1(31.25,51.95) v1(31.25,32.1) v1(34.25,84.75) v1(34.5,88) v1(38.75,49.25) v1(44.75,68.75) v1(44.75,60.79) v1(44.75,56.79) v1(44.75,52.75) v1(44.75,48.75) v1(44.75,44.79) v1(44.75,40.75) v1(44.75,36.75) v1(44.75,32.75) v1(44.75,28.75) v1(44.75,24.79) v1(44.75,20.79) v1(44.75,16.75) v1(44.75,12.75) v1(44.75,8.79) v1(46.75,4.75) v1(46.79,2.5) v1(49,6) v1(53.5,10.5) v1(54.25,5.25) v1(56.75,1.25) v1(59.75,7.75) v1(60,96.5) v1(61.75,11.5) v1(63.5,14.25) v1(66,81.25) v1(66.25,89.75) v1(67,91.5) v1(67.25,7.5) v1(68.5,78.75) v1(69.5,89.75) v1(70.75,26) v1(71,32.5) v1(71,20.5) v1(71.25,37.25) v1(71.25,30.25) v1(71.25,28) v1(71.25,17.5) v1(71.5,57.75) v1(71.5,52.25) v1(71.5,50) v1(71.5,44.5) v1(71.5,42) v1(71.5,39.5) v1(71.5,34.75) v1(71.75,65) v1(71.75,62.75) v1(71.75,60.5) v1(71.75,55) v1(71.75,47) v1(71.75,22.5) v1(72.5,70) v1(72.75,83) v1(73.5,89.75) v1(74,79.25) v1(78,70.25) v1(81.25,61) v1(81.5,51) v1(81.75,91) v1(81.75,81.75) v1(81.75,41) v1(83.75,80) v1(84,32) v1(84.25,91) v1(85.75,25) v1(85.75,18) v1(86.25,10.5) v1(87,91) v1(90,59.75) v1(90.75,91.75) v1(91.75,94.25) v1(92.25,69.5) v1(97,68.25) v1(98.25,37.75) v1(98.5,59.75) v1(98.5,52) v1(98.75,45) v1(98.75,31.5) v1(98.75,24) v1(102.75,20.5) v1(103.25,96.25) v1(104.75,24.75) v1(109.25,16.75) v1(114.5,4.75) v1(117.25,90.5) v1(119,14) v1(119.25,69) v1(119.75,90.5) v1(122.25,90.5) v1(122.75,58.5) v1(125.75,37.5) v1(126.25,74.25) v1(130.75,50.75) v1(131,97) v1(131,29.5) v1(131.5,73.75) v1(133,87) v1(136,46.5) v1(138,72) v1(138.75,64) v1(139.75,91.75) v1(140,4) v1(140.75,96.75) v1(140.75,87.25) v1(146,36.75) v1(148,51.75) v1(150.25,77.25) v1(154.25,79.75) v1(154.5,14.5) v1(155.25,4) v1(156.25,18) v1(156.75,90.75) v1(157.5,89.75) v1(159.25,90.75) v1(159.75,38) v1(163.25,13.25) v1(164,56.25) v1(164,53.75) v1(164.75,90.25) v1(165,82.25) v1(165.5,27.75) v1(166.25,56.25) v1(169,4) v1(169.75,94) v1(170,59) v1(170,53.75) v1(172.25,63) v1(172.5,47.25) v1(173,74) v1(173,29.25) v1(173.5,96.5) v1(174.5,88) v1(185,78.5) v1(188.25,8.75) v1(197.25,9.75)
/A0: length 41.7
  Top w0.25: v1(40.5,72.25) 40.67,72.08 R8.1 ; v1(31.25,73.25) J1.3 ; v1(19,81.5) 19,81.86 17.51,83.35 J32.7
  In1.Cu w0.25: v1(21.5,81.5) 20.25,80.25 20.25,75.83 24.14,71.94 29.94,71.94 v1(31.25,73.25) 31.5,73.25 32.5,72.25 v1(40.5,72.25)
  Bottom w0.25: 19.6,81.5 v1(19,81.5) ; v1(21.5,81.5) D90.1 ; v1(31.25,73.25) D23.1
/A0_LP: length 19.7
  Top w0.25: U6.13 49.15,58.65 50.25,59.75 v1(51,59.75) ; v1(44.71,70.75) R8.2
  In1.Cu w0.25: v1(51,59.75) 50.22,59.75 45.53,64.45 45.53,69.94 v1(44.71,70.75)
/A0_shift: length 6.5
  Top w0.3: U6.8 54.97,58.65 58.26,55.36 U3.5
/A1: length 53.1
  Top w0.25: v1(13.75,68.75) 13.25,69.25 13.25,77.55 13.95,78.25 J32.2 ; v1(31.25,63.25) J2.3 ; R16.1 40.67,60.42 v1(40.75,60.5)
  In1.Cu w0.25: v1(40.75,60.5) 40.75,62.25 38.75,64.25 32.25,64.25 v1(31.25,63.25)
  In1.Cu w0.3: v1(31.25,63.25) 30.5,62.5 26.71,62.5 22.25,66.96 22.25,68.75 v1(21.5,69.5)
  Bottom w0.25: 19.35,69.5 14.5,69.5 v1(13.75,68.75) ; v1(31.25,63.25) D26.1
  Bottom w0.3: v1(21.5,69.5) D91.1
/A1_LP: length 9.7
  Top w0.25: v1(49.25,56.25) 48.8,56.7 U6.16 ; v1(44.75,58.71) 42.79,58.71 R16.2
  In1.Cu w0.25: v1(49.25,56.25) 49.25,57 47.54,58.71 v1(44.75,58.71)
/A1_shift: length 11.9
  Top w0.3: U6.5 54.55,56.7 55.5,55.75 55.5,50.18 U3.8
/A2: length 40.7
  Top w0.25: J28.7 18.4,62.35 v1(18.75,62) ; v1(31.25,53.5) J3.3 ; v1(40.75,48.25) 40.67,48.17 R19.1
  In1.Cu w0.25: v1(31.25,53.5) 31.98,54.22 36.55,54.22 40.75,50.03 v1(40.75,48.25)
  In1.Cu w0.3: v1(31.25,53.5) 30,54.75 26,54.75 22.75,58 22.75,60.75 v1(21.5,62)
  Bottom w0.25: D96.1 v1(18.75,62) ; v1(31.25,53.5) D29.1
  Bottom w0.3: v1(21.5,62) D96.1
/A2_LP: length 12.9
  Top w0.25: U7.12 48.49,39.55 49.25,40.31 v1(49.25,41.5) ; R19.2 42.83,46.67 v1(44.75,46.67)
  In1.Cu w0.25: v1(44.75,46.67) 45.83,46.67 47.25,45.25 47.25,43.22 48.97,41.5 v1(49.25,41.5)
/A2_shift: length 4.9
  Top w0.3: U7.9 58.01,39.55 U3.11
/A3: length 54.8
  Top w0.25: J28.2 13.95,57.25 13.25,56.55 v1(13.25,49.75) ; v1(40.75,36.5) 40.67,36.43 R24.1 ; v1(31.25,43.5) J5.3
  In1.Cu w0.25: v1(40.75,36.5) 41.47,37.22 41.47,41.03 38.28,44.22 31.98,44.22 v1(31.25,43.5)
  In1.Cu w0.3: v1(31.25,43.5) 30.5,42.75 27.91,42.75 21.5,49.16 v1(21.5,49.75)
  Bottom w0.25: v1(13.25,49.75) D97.1 v1(21.5,49.75) ; v1(31.25,43.5) D20.1
/A3_LP: length 12.6
  Top w0.25: v1(44.75,34.68) 42.83,34.68 R24.2 ; v1(50.25,38.25) 49.6,37.6 U7.15
  In1.Cu w0.25: v1(44.75,34.68) 46.25,36.18 46.25,37.5 46.97,38.22 50.22,38.22 v1(50.25,38.25)
/A3_shift: length 8.3
  Top w0.3: U7.6 55.02,37.6 57,35.62 57,33.44 U3.14
/A4: length 45.9
  Top w0.25: R26.1 40.67,24.18 v1(40.75,24.25) ; v1(18.5,42.25) 17.7,41.45 J33.7 ; v1(31.25,33.5) J6.3
  In1.Cu w0.25: v1(31.25,33.5) 31.98,34.22 36.77,34.22 41.47,29.53 41.47,24.97 v1(40.75,24.25)
  In1.Cu w0.3: v1(31.25,33.5) 31.25,34 29.5,35.75 25.82,35.75 25.05,36.52 25.05,38.7 v1(21.5,42.25)
  Bottom w0.25: v1(21.5,42.25) D102.1 v1(18.5,42.25) ; v1(31.25,33.5) D32.1
/A4_LP: length 18.2
  Top w0.25: U7.18 48.49,35.65 49.14,35 v1(49.25,35) ; v1(44.75,22.71) 42.79,22.71 R26.2
  In1.Cu w0.25: v1(44.75,22.71) 47.75,25.71 47.75,34 48.25,34.5 48.75,34.5 v1(49.25,35)
/A4_shift: length 19
  Top w0.3: U7.3 54.85,35.65 55.5,35 55.5,22.24 U3.19
/A5: length 58.3
  Top w0.25: v1(13,30.5) 13,35.32 14.03,36.35 J33.2 ; R27.1 40.71,12.21 v1(40.75,12.25) ; v1(31.25,23.5) J7.3
  In1.Cu w0.25: v1(31.25,23.5) 31.98,24.22 38.28,24.22 41.47,21.03 41.47,12.97 v1(40.75,12.25)
  In1.Cu w0.3: v1(31.25,23.5) 30.5,22.75 28.11,22.75 21.5,29.36 v1(21.5,30.5)
  Bottom w0.25: v1(21.5,30.5) D103.1 v1(13,30.5) ; v1(31.25,23.5) D35.1
